# KiCad board uC_TP_Boussole_mb.kicad_pcb (continued)
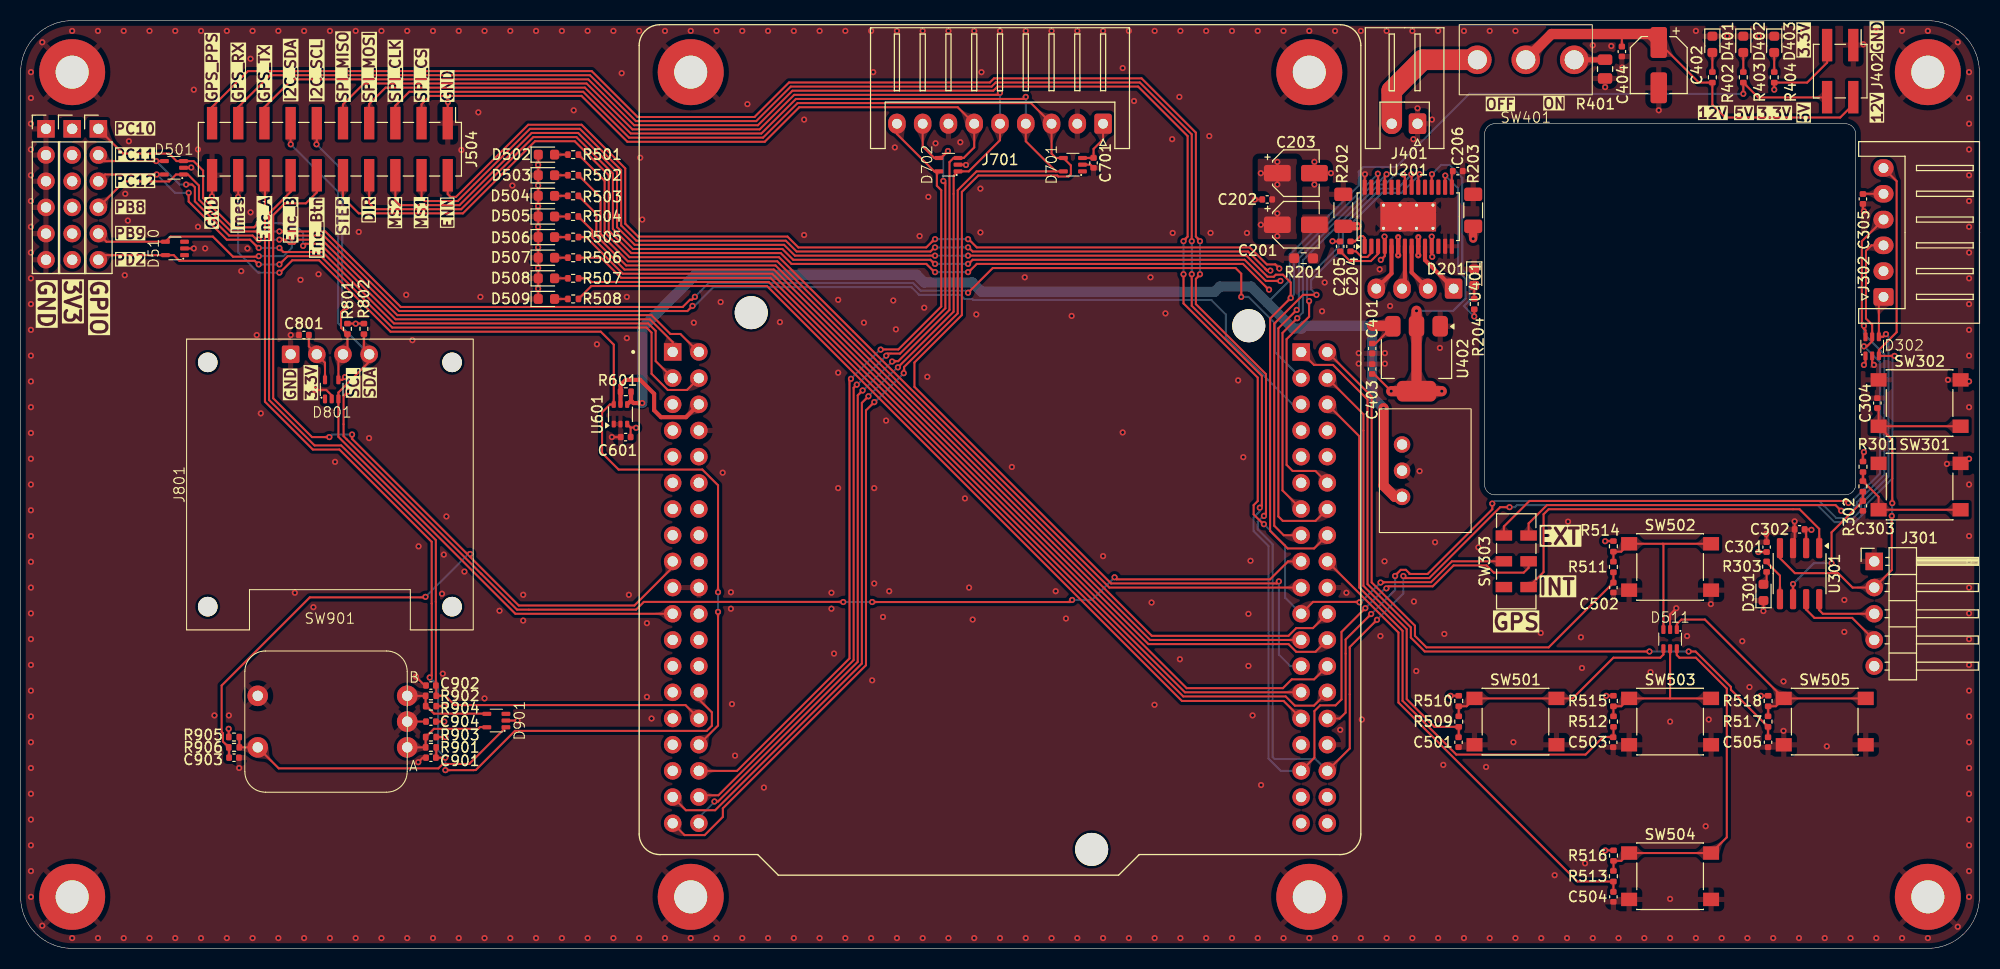
[diagram p0: board, top side]
## Nets (continued)
/NUCLEO_L476RG/TIM3_CH1_STEPPER_PWM: J504.10 U201.22 U501.213
/Rotary_Encodeur/A: D901.5 R901.2 R903.2 SW901.A
/Rotary_Encodeur/B: D901.4 R902.2 R904.2 SW901.B
/Rotary_Encodeur/S: D901.1 R905.2 R906.1 SW901.S1
/TMC2225_Driver/A1: J201.3 U201.7
/TMC2225_Driver/A2: J201.4 U201.5
/TMC2225_Driver/B1: J201.2 U201.8
/TMC2225_Driver/B2: J201.1 U201.10
Net-(C201-Pad2): C201.2 R201.1
Net-(D201-A): D201.2 R204.1
Net-(D301-A): D301.2 R303.2
Net-(D401-A): D401.2 R402.2
Net-(D402-A): D402.2 R403.2
Net-(D403-A): D403.2 R404.2
Net-(D502-A): D502.2 R501.2
Net-(D503-A): D503.2 R502.2
Net-(D504-A): D504.2 R503.2
Net-(D505-A): D505.2 R504.2
Net-(D506-A): D506.2 R505.2
Net-(D507-A): D507.2 R506.2
Net-(D508-A): D508.2 R507.2
Net-(D509-A): D509.2 R508.2
Net-(J401-Pin_2): J401.2 SW401.1
Net-(R301-Pad1): R301.1 R302.1 SW301.2
Net-(SW401-C): R401.1 SW401.3
Net-(U201-5VOUT): C206.2 U201.15
Net-(U201-BRA): R202.1 U201.6
Net-(U201-BRB): R203.1 U201.9
Net-(U201-CPI): C204.1 U201.2
Net-(U201-CPO): C204.2 U201.1
Net-(U201-DIAG): R204.2 U201.18
Net-(U201-VCP): C205.2 U201.3

Pads without a net: D510 1 3; D701 1; D801 1; D901 3; SW303 1; U201 12 17 19 23 24 27; U501 105 107 109 110 111 112 113 114 115 116 118 123 124 125 126 127 129 131 133 207 208 210 211 231 235 236 237 238

## Via types
v1: diameter 0.6, hole 0.3, Top to Bottom, 558 vias
v2: diameter 0.4, hole 0.2, Top to Bottom, 4 vias

## Routing (per net, layer and track width the routed paths; a pad name or vN(x,y) marks a point on that pad's centre or on a via; arc(x,y) is an arc through that point)
+3.3V: length 70.3
  Top w0.2: R904.1 v1(41.1,23.5) ; R515.2 153.81,24.51 v1(153.8,24.5) ; J801.2 27.96,58.4 C801.1 ; 59.17,50.53 59.67,50.53 v1(59.7,50.5) ; 59.17,50.53 U601.3 ; 59.17,50.53 C601.1 ; D701.3 104.07,76.67 C701.1 104.07,77.56 105,78.48 J701.1 ; C403.1 131.28,55.72 v1(132.95,54.05) ; R301.2 178.71,47.21 178.7,47.2 178.7,48.05 v1(178.8,48.15) ; R801.2 32.49,60.61 v1(32.5,60.6) 32.51,60.61 R802.2 ; v1(138.7,24.5) 138.71,24.51 R510.2 ; v1(138.19,74.97) 138.18,74.95 138.18,73.84 ; v1(168.8,24.5) 168.81,24.51 R518.2 ; R905.1 20.19,21.29 v1(20.18,21.3) ; v1(170.1,83.3) R404.1 173.29,83.99 175.23,85.93 175.23,87.42 ; v1(173.71,40.6) 173.66,40.65 C302.1 173.19,40.5 U301.2 ; D801.5 29.53,56.81 28.73,57.6 ; R903.1 v1(41.2,20.5) ; D302.1 178.95,56.75 v1(178.8,56.6) ; C305.1 178.72,73.2 J302.5 ; R516.2 153.71,9.51 v1(153.7,9.5) ; R514.2 153.71,39.51 v1(153.7,39.5) ; C904.1 v1(41.1,22) ; C301.1 v1(168.56,38.45)
  Top w1: U402.2 U402.2 v1(135.4,61.85) ; U402.2 v1(132.95,54.05) ; U402.2 v1(137.85,54.05)
  Bottom w0.2: v1(135.4,61.85) 138.96,61.85 140.15,63.04 140.15,64.96 139.44,65.67 139.44,73.72 v1(138.19,74.97)
+5V: length 175.1
  Top w0.2: C401.1 131.43,58.68 U402.3 ; v1(167.1,82.9) R403.1 168.54,82.55 175.06,82.55 175.23,82.38
  Top w0.4: R601.1 59.21,53.14 ; 59.21,53.14 U601.4 ; 59.21,53.14 59.44,52.9 v1(60.3,52.9)
  Top w1: v1(132.2,52.4) 132.2,44.9 133.3,43.8 U401.3 ; U402.3 133.05,60.4 v1(131.1,60.4)
  Bottom w0.2: 120.93,62.63 123.1,64.8 123.1,67.3 129.8,74 129.8,75.35 130.25,75.8 133.43,75.8 140.53,82.9 v1(167.1,82.9)
  Bottom w1: v1(60.3,52.9) 60.3,60.2 65.45,65.35 86.9,65.35 87.65,64.6 92.31,64.6 93.21,63.7 115.83,63.7 116.33,64.2 119.36,64.2 123.42,60.14 124.25,60.14 124.51,60.4 v1(131.1,60.4) 131.1,53.5 v1(132.2,52.4)
+12V: length 75
  Top w0.2: v1(132.29,69.05) 132.32,69.02 U201.4 132.32,67.18 v1(131.94,66.79) ; C201.1 v1(121.9,71.3) ; C201.1 v1(121.9,69.1) ; C201.1 v1(120.3,70.2) ; C203.1 v1(120.3,75.2) ; C203.1 v1(121.9,74.1) ; C203.1 v1(121.9,76.3) ; C404.1 155.32,88.58 ; v1(136.93,67.09) 136.88,67.14 U201.11 136.88,69.05 v1(136.87,69.05) ; J402.2 177.77,81.87 176.5,80.6 165.35,80.6 164.1,81.85 R402.1 162.79,83.99 C402.1 ; v1(127.25,68.6) 127.27,68.58 C205.1
  Top w1: SW401.2 148.5,88.7 158.08,88.7 C402.1
  In1.Cu w1: U401.1 135.71,48.88 141,54.17 141,59.89 140,60.89 140,61.71 140.84,62.55 140.84,66.71
GND: length 41.4
  Top w0.2: v1(38.57,18.06) 39.01,18.5 C901.2 ; D510.2 v1(16.8,67.9) ; v1(41.45,82.1) 41.43,82.08 J504.1 ; D702.2 91.68,76.03 v1(91.7,76) ; v1(16.55,75.75) 16.53,75.72 D501.2 ; v1(179.78,56.6) 179.6,56.78 D302.2 ; U201.28 130.38,75.08 v1(130.4,75.1) ; C701.2 103.77,76.03 D701.2 ; J504.20 18.57,72.97 v1(18.55,72.95) ; 180.6,47 180.55,47.05 SW301.1 ; D301.1 169.06,32.73 v1(169.05,32.72) ; D801.2 30.17,53.64 29.64,54.18 v1(28.57,54.18) ; v1(160.6,33) 160,32.4 D511.2 160,31.31 ; D901.2 v1(48.2,22.1) ; v1(38.34,26.36) 39.2,25.5 C902.2 ; D509.1 50.21,63.99 v1(50.2,64) 50.21,64.01 D508.1 50.21,65.99 v1(50.2,66) 50.21,66.01 D507.1 50.21,67.99 v1(50.2,68) 50.21,68.01 D506.1 50.21,69.99 v1(50.2,70) 50.21,70.01 D505.1 50.21,71.99 v1(50.2,72) 50.21,72.01 D504.1 50.21,73.99 v1(50.2,74) 50.21,74.01 D503.1 50.21,75.99 v1(50.2,76) 50.21,76.01 D502.1 ; v1(169.32,40.2) 169.36,40.17 C301.2 ; v1(119.72,72.65) C202.2 ; C601.2 v1(57.35,49.6) ; C305.2 178.7,71.6 v1(178.8,71.5) ; v1(172.07,41.42) 172.08,41.42 C302.2 172.08,38.98 U301.3 ; C904.2 SW901.C
  vias: v1(1,85) v1(1,82.5) v1(1,80) v1(1,77.5) v1(1,75) v1(1,72.5) v1(1,70) v1(1,67.5) v1(1,65) v1(1,62.5) v1(1,60) v1(1,57.5) v1(1,55) v1(1,52.5) v1(1,50) v1(1,47.5) v1(1,45) v1(1,42.5) v1(1,40) v1(1,37.5) v1(1,35) v1(1,32.5) v1(1,30) v1(1,27.5) v1(1,25) v1(1,22.5) v1(1,20) v1(1,17.5) v1(1,15) v1(1,12.5) v1(1,10) v1(1,7.5) v1(1,5) v1(2.1,87.9) v1(2.1,2.2) v1(5,89) v1(5,1) v1(7.5,89) v1(7.5,1) v1(10,89) v1(10,1) v1(10.15,73.2) v1(10.1,65.3) v1(10.4,70.6) v1(10.5,78.3) v1(12.5,89) v1(12.5,1) v1(15,89) v1(15,1) v1(16.8,83.3) v1(17.2,77.5) v1(17.2,70) v1(17.5,89) v1(17.5,1) v1(17.9,67.9) v1(18.8,22.6) v1(20,89) v1(20,1) v1(20.2,22.6) v1(21.2,17.5) v1(21.4,65.7) v1(22,67.9) v1(22.3,86.3) v1(22.3,71.4) v1(22.5,89) v1(22.5,1) v1(22.9,59.5) v1(23.3,51.9) v1(25,89) v1(25,1) v1(26.2,59.5) v1(26.6,34.5) v1(27.15,64.85) v1(27.5,89) v1(27.5,1) v1(28.4,33.1) v1(28.9,65.4) v1(30,89) v1(30,1) v1(30.5,47.2) v1(32.5,89) v1(32.5,1) v1(32.8,69.5) v1(33.8,49.5) v1(35,89) v1(35,1) v1(37.4,63.4) v1(37.5,89) v1(37.5,1) v1(38,59) v1(38.6,39) v1(40,89) v1(40,1) v1(40.88,34.4) v1(41.05,38.2) v1(40.95,26.65) v1(41.3,41.9) v1(42.5,89) v1(42.5,1) v1(42.75,77.45) v1(43.05,36.55) v1(44.4,81.1) v1(44.6,63.2) v1(45,89) v1(45,24.25) v1(45,1) v1(46.45,32.75) v1(47.5,89) v1(47.5,1) v1(47.7,74) v1(48.75,34.3) v1(48.75,31.8) v1(50,89) v1(50,1) v1(52.5,89) v1(52.5,1) v1(53.65,81.3) v1(55,89) v1(55,1) v1(55.9,58.6) v1(57.5,89) v1(57.5,1) v1(58.3,84.9) v1(58.8,63.2) v1(58.8,59.2) v1(59,34.3) v1(60,89) v1(60,1) v1(60.1,76.7) v1(60.3,70.7) v1(60.75,31.55) v1(60.75,24.4) v1(61.2,22.3) v1(62.5,89) v1(62.5,1) v1(65,89) v1(65,1) v1(65.3,60.7) v1(67.5,89) v1(67.5,1) v1(67.9,62.7) v1(68.1,46.15) v1(68.9,34.55) v1(68.9,32.95) v1(69,23.7) v1(69.3,18.7) v1(70,89) v1(70,1) v1(70.5,81.9) v1(72.1,15.6) v1(72.5,89) v1(72.5,1) v1(73.65,60.75) v1(75,89) v1(75,1) v1(76,80.4) v1(76,69.2) v1(77.5,89) v1(77.5,1) v1(78.65,34.5) v1(78.65,32.95) v1(78.9,28.6) v1(79.3,62.91) v1(79.3,55.85) v1(79.3,44.65) v1(80,89) v1(80,1) v1(81.8,60.7) v1(82.5,89) v1(82.5,1) v1(82.6,26) v1(82.7,85) v1(82.8,44.65) v1(82.8,35.4) v1(83.65,32.15) v1(83.95,51.2) v1(84.25,34.65) v1(84.65,62.85) v1(84.8,77.7) v1(84.9,60.05) v1(85,89) v1(85,1) v1(87.2,69.1) v1(87.5,89) v1(87.5,1) v1(87.65,62.15) v1(87.95,55.45) v1(88.05,72.9) v1(88.75,78.1) v1(90,89) v1(90,1) v1(91.15,78.2) v1(91.6,43.65) v1(92,35) v1(92.35,31.9) v1(92.5,89) v1(92.5,1) v1(92.7,61.5) v1(93.1,73.7) v1(93.1,69.45) v1(93.2,85) v1(95,89) v1(95,1) v1(96.15,46.7) v1(97.4,65.1) v1(97.5,89) v1(97.5,1) v1(100,89) v1(100,1) v1(100.4,34.65) v1(101.4,32) v1(101.95,61.35) v1(102.5,89) v1(102.5,1) v1(105,89) v1(105,38.05) v1(105,1) v1(106.9,85.4) v1(106.9,50.05) v1(107.5,89) v1(107.5,1) v1(108,82.2) v1(109.6,65.1) v1(109.7,33.55) v1(110,89) v1(109.99,23.63) v1(110,1) v1(111.05,61.6) v1(111.7,78.5) v1(111.75,69.4) v1(112.4,82.6) v1(112.45,28.05) v1(112.5,89) v1(112.5,1) v1(115,89) v1(115,1) v1(115.3,78.8) v1(115.42,69.41) v1(117.5,89) v1(117.5,1) v1(118.1,55.1) v1(118.6,47.65) v1(118.95,69.4) v1(119.1,32.45) v1(119.1,27.4) v1(119.3,37.6) v1(119.5,22.6) v1(120,89) v1(120,1) v1(120.33,15.85) v1(122.5,89) v1(122.5,1) v1(125,89) v1(125,1) v1(125.5,76.3) v1(125.5,74.1) v1(126.24,61.81) v1(126.49,64.6) v1(127.1,75.2) v1(127.5,89) v1(127.5,1) v1(128,21.2) v1(128.6,34.5) v1(129.79,57.74) v1(129.79,56.73) v1(130,89) v1(130,1) v1(130.1,22.2) v1(131.83,65.87) v1(131.9,30.3) v1(132.33,57.74) v1(132.33,56.73) v1(132.3,37.55) v1(132.5,89) v1(132.5,1) v1(132.84,62.31) v1(135,89) v1(135,1) v1(135.1,78.5) v1(135.15,33.65) v1(135.38,26.9) v1(135.5,81.5) v1(135.7,46.3) v1(136.9,80.4) v1(137.2,39.4) v1(137.5,89) v1(137.5,1) v1(137.67,58.25) v1(138,17.8) v1(138.1,30.5) v1(140,89) v1(140,1) v1(141.4,38.9) v1(142.15,17.6) v1(142.5,89) v1(142.5,1) v1(144.8,20) v1(145,89) v1(145,1) v1(147.45,30.6) v1(147.5,1) v1(148.8,7.1) v1(150,1) v1(150.1,41.4) v1(151.35,30.18) v1(151.45,27.2) v1(151.75,8.25) v1(152.5,87.6) v1(152.5,1) v1(153.7,83.55) v1(154.29,87.53) v1(155,1) v1(155.35,85.45) v1(157.5,1) v1(158.1,26.8) v1(158.9,81.3) v1(160,22) v1(160,4.8) v1(160,1) v1(161.65,30.3) v1(162.5,89) v1(162.5,1) v1(163.45,11.85) v1(163.75,22.2) v1(163.95,33.4) v1(165,1) v1(165.55,88.5) v1(167,29.8) v1(167.5,1) v1(167.7,25.35) v1(168.6,88.5) v1(170,1) v1(171,25.9) v1(171,21.1) v1(172.5,89) v1(172.5,1) v1(175,1) v1(175.2,19.6) v1(176.9,33.8) v1(176.9,30.7) v1(177.5,1) v1(178.75,87.7) v1(180,89) v1(180,1) v1(182.5,89) v1(182.5,1) v1(185,89) v1(185,1) v1(186.85,47) v1(186.95,55.15) v1(187.9,87.9) v1(187.9,2.1) v1(189,85) v1(189,82.5) v1(189,80) v1(189,77.5) v1(189,75) v1(189,72.5) v1(189,70) v1(189,67.5) v1(189,65) v1(189,62.5) v1(189,60) v1(189,57.5) v1(189,55) v1(189,52.5) v1(189,47.5) v1(189,45) v1(189,40) v1(189,37.5) v1(189,35) v1(189,32.5) v1(189,30) v1(189,27.5) v1(189,25) v1(189,22.5) v1(189,20) v1(189,17.5) v1(189,15) v1(189,12.5) v1(189,10) v1(189,7.5) v1(189,5)
/Current_NCS199A3RSQT2G/Imes: length 98.3
  Top w0.2: U501.132 67.65,21.62 v1(67.65,32.65) ; J504.18 21.11,72.91 v1(21.1,72.9) ; v1(67.65,34.55) 67.65,44.93 66.13,46.45 58,46.45 56.4,48.05 56.4,52 57.16,52.76 U601.6 57.53,58.56 56.28,59.83 35.88,59.83 28.96,66.75 26.35,66.75 25.15,65.55 v1(25.1,65.55)
  Bottom w0.2: v1(25.1,65.55) 23.05,65.55 21.1,67.5 v1(21.1,72.9) ; v1(67.65,32.65) v1(67.65,34.55)
/Current_NCS199A3RSQT2G/Load: length 12.6
  Top w0.4: U601.5 58.19,54 R601.2 58.19,54.64 58.7,55.15 60.1,55.15 61.45,53.8 61.45,52.2 62.12,51.53 64.54,51.53 U501.106
/GPS_TEL0094_STM32C011J4M6/GPS_EN: length 90.3
  Top w0.2: J302.1 180.25,62.75 D302.4 180.68,59.33 v1(180.94,59.59) ; v1(133.32,36.12) 133.32,36.17 133.88,36.72 134.37,36.72 134.73,36.37 134.73,36.32 136.48,36.32 142.75,42.6 v1(142.75,43.15) ; v1(131,32.44) 128.53,29.96 128.53,22.87 127.95,22.3 U501.230
  Bottom w0.2: v1(133.32,36.12) 133.32,34.76 v1(131,32.44) ; v1(142.75,43.15) 143,43.4 174.47,43.4 176.12,41.75 177.77,41.75 178.51,42.49 178.51,43.1 181.18,45.77 181.18,59.35 v1(180.94,59.59)
/GPS_TEL0094_STM32C011J4M6/GPS_PPS: length 282.9
  Top w0.2: v1(134.13,36.12) 134.33,35.92 136.64,35.92 143.52,42.8 v1(144.43,42.8) ; J504.19 18.57,81.62 22.05,85.1 55.4,85.1 59.85,80.65 71.19,80.65 74.54,84 94.02,84 94.42,84.4 108.73,84.4 114,79.13 114,69.05 114.2,68.85 114.2,68.8 v1(114.4,68.6) ; J302.6 181.97,74.42 181.97,59.78 180.25,58.05 D302.3 v1(181.78,57.47) ; U501.234 128.93,19.39 128.93,29.23 v1(131.57,31.87) ; v1(114.4,65.4) 114.4,65.35 114,64.95 114,62.5 120.8,55.7 120.8,42.15 v1(120.6,41.95)
  Bottom w0.2: U501.234 125.6,18.37 121.65,18.37 121.45,18.57 121.45,39.2 120,40.65 120,41.4 120.6,42 v1(120.6,41.95) ; v1(144.43,42.8) 144.95,42.8 145.15,43 174.3,43 175.95,41.35 177.94,41.35 178.92,42.34 178.92,42.95 181.57,45.6 181.57,57.28 v1(181.78,57.47) ; v1(131.57,31.87) 134.13,34.43 v1(134.13,36.12) ; v1(114.4,65.4) v1(114.4,68.6) 114.4,68.45
/GPS_TEL0094_STM32C011J4M6/GPS_RX: length 64.6
  Top w0.2: J302.3 179.53,68.2 179,67.67 179,61.1 179.6,60.5 D302.5 179.6,58.9 179.1,58.4 v1(178.8,58.4) ; v1(177.3,43.21) 177.11,43.4 146.35,43.4 143.88,40.92 SW303.3
  Bottom w0.2: v1(178.8,58.4) 178.8,58.42 180.38,56.85 180.38,46.1 177.48,43.21 v1(177.3,43.21)
/GPS_TEL0094_STM32C011J4M6/GPS_TX: length 65.9
  Top w0.2: D302.6 178.95,59.95 178.78,60.12 178.8,60.15 v1(178.8,60.4) 178.6,60.6 178.6,68.6 J302.4 ; 146.28,40.05 146.28,41.22 148.05,43 176.05,43 v1(176.6,42.45)
  Bottom w0.2: v1(178.8,60.4) 178.8,59.6 180.78,57.62 180.78,45.93 178.11,43.27 178.11,43.02 177.69,42.61 176.76,42.61 v1(176.6,42.45)
/GPS_TEL0094_STM32C011J4M6/NUCLEO_RX: length 206.9
  Top w0.2: v1(120.2,42.75) 120.4,42.95 120.4,55.53 113.6,62.33 v1(113.6,65.4) 113.6,65.6 ; U501.233 125.5,18.51 125.5,23.02 126.05,23.58 127.55,23.58 128.12,24.15 128.12,30.7 130.43,33.01 v1(130.44,33.01) ; J504.17 21.11,81.61 24.2,84.7 55.23,84.7 59.68,80.25 71.35,80.25 74.7,83.6 94.19,83.6 94.59,84 108.57,84 113.6,78.97 v1(113.6,68.6) ; v1(132.48,34.92) 132.68,35.12 136.97,35.12 139,37.15 142.2,37.15 142.9,36.45 145.8,36.45 146.28,36.92 146.28,37.55
  Bottom w0.2: v1(113.6,68.6) v1(113.6,65.4) ; v1(132.48,34.92) 132.35,34.92 v1(130.44,33.01) ; U501.233 122.23,17.22 121.05,18.4 121.05,39.03 119.6,40.48 119.6,41.8 120.2,42.4 v1(120.2,42.75)
/GPS_TEL0094_STM32C011J4M6/NUCLEO_TX: length 171
  Top w0.2: v1(129.87,33.57) 129.83,33.61 125.36,33.61 U501.221 ; v1(112.8,68.6) 113,68.8 113,68.85 113.2,69.05 113.2,78.8 108.4,83.6 94.75,83.6 94.35,83.2 74.87,83.2 71.52,79.85 59.52,79.85 55.07,84.3 26.35,84.3 23.65,81.6 J504.15 ; v1(120.6,41.15) 120.55,41.15 119.6,42.1 119.6,42.99 120,43.39 120,55.37 112.8,62.57 v1(112.8,65.4) ; v1(131.91,35.49) 132.2,35.49 132.23,35.52 136.81,35.52 138.83,37.55 SW303.2
  Bottom w0.2: v1(120.6,41.15) 122.65,39.1 122.65,34.02 U501.221 ; v1(129.87,33.57) 130.07,33.78 130.2,33.78 v1(131.91,35.49) ; v1(112.8,68.6) v1(112.8,65.4)
/GPS_TEL0094_STM32C011J4M6/STM32C0_BTN: length 14.3
  Top w0.2: U301.6 v1(171.93,35.35) ; v1(175.66,37.36) 175.66,40.36 C303.1 R302.2
  Bottom w0.2: v1(175.66,37.36) 173.94,37.36 v1(171.93,35.35)
/GPS_TEL0094_STM32C011J4M6/STM32C0_LED: length 4.2
  Top w0.2: U301.5 170.66,36.16 169.36,37.46 R303.1
/GPS_TEL0094_STM32C011J4M6/STM32C0_NRST: length 38
  Top w0.2: SW302.2 188.18,50.65 ; SW302.2 180.22,52.3 C304.1 ; SW302.2 181.55,49.33 v1(181.55,43.19) ; U301.4 170.66,37.85 172.11,36.4 176.3,36.4 177.7,35 J301.2 181.5,36.7 v1(181.5,41.95)
  Bottom w0.2: v1(181.5,41.95) 181.55,42 v1(181.55,43.19)
/GPS_TEL0094_STM32C011J4M6/STM32C0_SWCLK: length 6.5
  Top w0.2: J301.3 174.81,32.46 174.47,32.81 U301.8
/GPS_TEL0094_STM32C011J4M6/STM32C0_SWDIO: length 9.2
  Top w0.2: 179.8,30.3 J301.4 177.66,32.06 174,32.06 173.19,32.86 U301.7
/GPS_TEL0094_STM32C011J4M6/STM32C0_TX: length 37.3
  Top w0.2: 146.28,35.05 147.72,36.5 147.72,42.11 148.22,42.6 172.56,42.6 174.47,40.69 U301.1
/Magnetometre_BMM150_SEN0419/INT: length 77.9
  Top w0.2: J701.9 85,79 88.62,75.38 D702.5 88.88,75.17 88.88,73.97 89.3,73.55 89.3,62.27 85.13,58.1 83.44,58.1 v1(83.42,58.08) ; U501.134 69.49,17.22 80.4,28.13 80.4,55.11 v1(80.54,55.26)
  Bottom w0.2: v1(80.54,55.26) 83.37,58.08 v1(83.42,58.08)
/Magnetometre_BMM150_SEN0419/SPI_CLK: length 161.3
  Top w0.2: v1(122.05,35.6) 121.85,35.4 105.78,35.4 86.7,54.48 86.7,56.84 91.3,61.44 91.3,73.38 92.89,74.97 100.56,74.97 100.66,74.88 101.64,74.88 101.88,75.11 101.88,75.95 D701.4 100.43,76.67 100,77.1 J701.3 98,82 75.37,82 72.02,78.65 59.02,78.65 54.57,83.1 37.7,83.1 36.35,81.75 J504.5
  Bottom w0.2: U501.225 123.17,27.38 122.05,28.5 v1(122.05,35.6)
/Magnetometre_BMM150_SEN0419/SPI_CS: length 139.7
  Top w0.2: v1(67.3,14.25) 67.65,14.25 81.2,27.8 81.2,53.65 v1(81.68,54.13) ; J504.3 38.89,81.89 39.7,82.7 54.4,82.7 58.85,78.25 72.18,78.25 75.53,81.6 90.9,81.6 J701.6 92.5,77.7 91.47,76.67 D702.3 90.5,76.67 90.1,76.27 90.1,61.93 85.13,56.96 84.85,56.96 84.81,56.93 v1(84.53,56.93)
  Bottom w0.2: v1(84.53,56.93) 81.73,54.13 v1(81.68,54.13) ; U501.138 65.79,12.69 67.3,14.2 v1(67.3,14.25)
/Magnetometre_BMM150_SEN0419/SPI_MISO: length 156
  Top w0.2: v1(82.24,53.56) 81.6,52.92 81.6,27.63 67.37,13.4 64.53,13.4 U501.135 ; J504.9 31.27,81.87 33.3,83.9 54.9,83.9 59.35,79.45 71.68,79.45 75.03,82.8 94.8,82.8 v1(95,83) ; J701.5 95,78.4 91.97,75.38 D702.1 90.5,74.95 90.5,61.77 v1(85.09,56.36)
  Bottom w0.2: v1(82.24,53.56) 85.04,56.36 v1(85.09,56.36) ; v1(95,83) J701.5
/Magnetometre_BMM150_SEN0419/SPI_MOSI: length 165.3
  Top w0.2: v1(82.81,52.99) 82,52.19 82,27.47 68.12,13.58 68.12,12.76 66.35,10.99 64.4,10.99 U501.137 ; D701.5 100.43,75.38 ; 100.43,75.38 92.72,75.38 90.9,73.55 90.9,61.6 85.69,56.4 85.69,56.11 85.66,56.08 v1(85.66,55.8) ; 100.43,75.38 97.5,78.3 J701.4 ; v1(97.5,82.6) 97.3,82.4 75.2,82.4 71.85,79.05 59.18,79.05 54.73,83.5 35.4,83.5 33.81,81.91 J504.7
  Bottom w0.2: v1(97.5,82.6) J701.4 ; v1(82.81,52.99) 82.86,52.99 v1(85.66,55.8)
/Magnetometre_BMM150_SEN0419/STATUS: length 80
  Top w0.2: U501.136 65.96,14.85 67.68,14.85 80.8,27.97 80.8,54.38 v1(81.11,54.69) ; v1(89.5,74.45) 89.7,74.25 89.7,62.1 85.3,57.7 84.1,57.7 83.96,57.56 v1(83.96,57.49) ; v1(89.95,77.35) 89.28,76.67 D702.4 88.62,76.67 87.5,77.8 J701.8
  Bottom w0.2: v1(89.5,74.45) 89.5,76.9 v1(89.95,77.35) ; v1(83.96,57.49) 81.16,54.69 v1(81.11,54.69)
/NUCLEO_L476RG/BTN_B: length 34.2
  Top w0.2: R513.2 154.51,7.52 R516.1 155.26,8.49 SW504.1 SW504.1 165.5,10.78 165.5,25.2 162.5,28.2 160.9,28.2 160.65,28.45 D511.6
/NUCLEO_L476RG/BTN_BOT: length 45.6
  Top w0.2: C504.1 R513.1 151.01,6.49 133.65,23.85 133.65,30.64 U501.218
/NUCLEO_L476RG/BTN_C: length 15.6
  Top w0.2: D511.5 160,24.25 ; 160,24.25 SW503.1 155.26,23.49 R515.1 154.5,22.52 R512.2 ; 160,24.25 SW503.1
/NUCLEO_L476RG/BTN_CENTER: length 56.1
  Top w0.2: 154.51,20.51 153.51,20.51 151.8,18.8 139.26,18.8 134.05,24.01 134.05,30.81 129.85,35.01 129.85,49.68 U501.206 ; 154.51,20.51 R512.1 ; 154.51,20.51 C503.1
/NUCLEO_L476RG/BTN_L: length 23.5
  Top w0.2: D511.4 159.35,28.5 159.05,28.2 154.5,28.2 150.55,24.25 SW501.1 SW501.1 140.26,23.49 R510.1 R509.2
/NUCLEO_L476RG/BTN_LEFT: length 41.5
  Top w0.2: C501.1 139.5,20.5 R509.1 137.14,21.49 134.45,24.18 134.45,30.97 130.25,35.17 130.25,51.82 U501.204
/NUCLEO_L476RG/BTN_R: length 25
  Top w0.2: SW505.1 SW505.1 ; SW505.1 163.38,31.9 161.1,31.9 160.65,31.45 D511.1 ; SW505.1 170.26,23.49 R518.1 169.51,22.52 R517.2
/NUCLEO_L476RG/BTN_RIGHT: length 72.6
  Top w0.2: U501.201 125.46,56.6 127.3,56.6 130.65,53.25 130.65,35.34 134.85,31.14 134.85,30.15 136.2,28.8 v1(158,28.8) ; C505.1 R517.1 165.9,25.09 165.9,25.37 162.47,28.8 v1(161.8,28.8)
  Bottom w0.2: v1(161.8,28.8) v1(158,28.8)
/NUCLEO_L476RG/BTN_T: length 19.1
  Top w0.2: D511.3 159.35,39.2 159.3,39.25 ; 159.3,39.25 SW502.1 155.26,38.49 R514.1 R511.2 ; 159.3,39.25 SW502.1
/NUCLEO_L476RG/BTN_TOP: length 54.4
  Top w0.2: U501.202 131.05,53.55 131.05,35.5 135.25,31.3 135.25,30.32 136.37,29.2 148.22,29.2 C502.1 R511.1
/NUCLEO_L476RG/ENC_BTN: length 111.1
  Top w0.2: v1(32.15,49.85) 32.15,49.43 43.32,38.26 v1(43.61,38.26) 43.61,37.97 48.32,33.26 59.53,33.26 63.25,36.98 U501.117 ; v1(39.28,34.1) 39.22,34.05 28.05,34.05 19.5,25.5 19.5,20.99 19.62,20.87 19.62,20.07 R906.2 20.22,19.47 C903.1 ; v1(29.95,49.6) 28.27,49.6 24.5,53.37 24.5,71.13 25.64,72.28 27.67,72.28 28.73,73.33 J504.12
  Bottom w0.2: v1(39.28,34.1) 43.43,38.26 v1(43.61,38.26) ; v1(32.15,49.85) 30.2,49.85 v1(29.95,49.6)
/NUCLEO_L476RG/I2C1_SCL: length 135.7
  Top w0.2: v1(106.11,36) 106.31,35.8 121.2,35.8 122.94,37.54 U501.217 ; v1(28.7,78) 28.73,78.03 J504.11 ; v1(79.8,33.6) 79.79,33.61 60.45,33.61 59.7,32.86 48.16,32.86 31.33,49.69 31.33,53.58 v1(31.77,54.03) ; v1(102,33.8) 101.8,33.6 v1(82.6,33.6) ; 31.27,57.6 30.83,57.16 D801.4 31.2,55.15 v1(31.48,55.42) ; J801.3 31.7,58.06 R801.1 31.08,60.21 31.08,61.73 v1(31.55,62.2)
  Bottom w0.2: v1(28.7,78) 31.2,75.5 31.2,62.55 v1(31.55,62.2) ; v1(31.48,55.42) 31.77,55.13 v1(31.77,54.03) ; v1(102,33.8) 103.91,33.8 v1(106.11,36) ; v1(79.8,33.6) v1(82.6,33.6)
/NUCLEO_L476RG/I2C1_SDA: length 75.8
  Top w0.2: J801.4 33.3,58.14 R802.1 ; v1(26.2,78) 26.19,78.01 J504.13 ; U501.121 47.99,32.46 30.83,49.62 D801.3 30.83,53.92 33.81,56.91
  Bottom w0.2: v1(26.2,78) 30.8,73.4 30.8,60.64 J801.4
/NUCLEO_L476RG/LED_0: length 90.4
  Top w0.2: U501.219 105.61,35 73.56,67.05 59.07,67.05 56.65,69.47 56.65,74.46 R501.1
/NUCLEO_L476RG/LED_1: length 94.1
  Top w0.2: U501.222 125.36,31.07 123.73,31.07 122.98,30.32 109.72,30.32 73.39,66.65 58.9,66.65 56.25,69.3 56.25,72.86 R502.1
/NUCLEO_L476RG/LED_2: length 89.2
  Top w0.2: U501.223 109.56,29.92 73.23,66.25 58.74,66.25 55.85,69.14 55.85,71.25 R503.1
/NUCLEO_L476RG/LED_3: length 91
  Top w0.2: R504.1 55.45,69.65 55.45,68.97 58.57,65.85 73.06,65.85 109.39,29.52 122.98,29.52 123.73,28.77 125.6,28.77 U501.224
/NUCLEO_L476RG/LED_4: length 91.7
  Top w0.2: R505.1 54.86,69 58.41,65.45 72.9,65.45 113.11,25.24 122.44,25.24 123.3,26.1 125.47,26.1 U501.226
/NUCLEO_L476RG/LED_5: length 87.6
  Top w0.2: R506.1 56.29,67 58.24,65.05 72.73,65.05 112.94,24.84 U501.227
/NUCLEO_L476RG/LED_6: length 90.3
  Top w0.2: R507.1 55,65 55.35,64.65 72.57,64.65 112.78,24.44 122.71,24.44 123.6,23.55 125.46,23.55 U501.228
/NUCLEO_L476RG/LED_7: length 88
  Top w0.2: R508.1 55.36,64.25 72.4,64.25 112.65,24 122.51,24 U501.229
/NUCLEO_L476RG/PB8: length 133.8
  Top w0.2: v1(91.9,63.6) 94.3,66 117.85,66 118.4,65.45 v1(118.4,63.2) ; v1(65.41,63.21) 65.13,62.93 64.93,62.93 64.23,62.22 36.88,62.22 29.55,69.55 v1(25.1,69.55) ; J503.4 10.06,74.4 14.4,74.4 15.08,75.08 16.22,75.08 17.3,74 17.3,72.63 20.38,69.55 v1(23.1,69.55)
  Bottom w0.2: v1(65.41,63.21) 66.75,64.55 86.57,64.55 87.32,63.8 91.7,63.8 v1(91.9,63.6) ; U501.203 121.7,57.83 121.7,60.6 119.1,63.2 v1(118.4,63.2) ; v1(23.1,69.55) v1(25.1,69.55)
/NUCLEO_L476RG/PB9: length 129.5
  Top w0.2: v1(23.1,67.15) 23.05,67.1 20.6,67.1 18.65,69.05 14.55,69.05 D510.4 8.33,68.55 J503.5 ; v1(65.17,62.33) 64.67,61.83 36.71,61.83 29.38,69.15 26.5,69.15 v1(26.3,68.95)
  Bottom w0.2: v1(65.17,62.33) 65.38,62.33 67.2,64.15 86.4,64.15 87.15,63.4 91.15,63.4 91.55,63 92.3,63 92.4,62.9 115.5,62.9 116.9,61.5 116.9,59.25 123.37,52.78 U501.205 ; v1(23.1,67.15) 25.5,67.15 26.3,67.95 v1(26.3,68.95)
/NUCLEO_L476RG/PC10: length 68
  Top w0.2: J503.1 9.94,77.1 14.4,77.1 15.12,76.38 16.77,76.38 17.7,75.45 17.7,72.8 20.55,69.95 22.65,69.95 22.85,70.15 22.9,70.15 v1(23.1,70.35) ; v1(27.4,68.15) 27.6,68.35 29.05,68.35 36.38,61.03 61.04,61.03 63.25,58.82 U501.101
  Bottom w0.2: v1(27.4,68.15) 27.4,69.4 26.45,70.35 v1(23.1,70.35)
/NUCLEO_L476RG/PC11: length 68.1
  Top w0.2: v1(16.05,74.1) 16.63,74.1 16.9,73.83 16.9,72.47 20.22,69.15 22.5,69.15 22.9,68.75 v1(23.1,68.75) ; J503.2 8.12,76.38 v1(13.15,76.38) 13.95,76.38 ; v1(25.1,68.75) 25.65,68.75 26.05,68.35 26.55,68.35 26.95,68.75 29.22,68.75 36.54,61.42 61.21,61.42 63.03,59.6 64,59.6 65.74,57.86 U501.102
  Bottom w0.2: v1(13.15,76.38) 15.42,74.1 v1(16.05,74.1) ; v1(23.1,68.75) v1(25.1,68.75)
/NUCLEO_L476RG/PC12: length 67.1
  Top w0.2: v1(25.1,67.95) 25.5,67.55 29.29,67.55 36.21,60.62 60.88,60.62 61.6,59.9 61.6,56.97 U501.103 ; v1(16.3,73.3) 16.3,72.45 20,68.75 22.25,68.75 22.85,68.15 22.9,68.15 v1(23.1,67.95) ; 13.95,75.08 v1(13.2,75.08) 8.2,75.08 J503.3
  Bottom w0.2: v1(23.1,67.95) v1(25.1,67.95) ; v1(16.3,73.3) 14.97,73.3 v1(13.2,75.08)
/NUCLEO_L476RG/PD2: length 67.3
  Top w0.2: v1(23.1,66.35) 22.9,66.55 22.85,66.55 22.7,66.7 15.4,66.7 14.85,67.25 D510.5 7.99,67.25 J503.6 ; v1(25.1,66.35) 25.9,67.15 29.12,67.15 36.05,60.22 60.71,60.22 61.2,59.73 61.2,55.74 62.77,54.17 64.64,54.17 U501.104
  Bottom w0.2: v1(23.1,66.35) v1(25.1,66.35)
/NUCLEO_L476RG/STEPPER_DIR: length 154.1
  Top w0.2: v1(122.2,64.75) 120.78,64.75 118.73,66.8 92.35,66.8 91.95,66.4 v1(91.9,66.4) ; v1(125.7,63.4) 124.4,63.4 121.6,60.6 121.6,41 122.52,40.08 U501.215 ; U201.20 135.57,74.97 v1(135.7,75.1) ; v1(88.7,66.4) 88.5,66.6 88.45,66.6 88.25,66.8 74.94,66.8 73.89,67.85 59.4,67.85 57.45,69.8 57.45,75.16 53.91,78.7 49.73,78.7 42.73,71.7 34.4,71.7 33.81,72.29 J504.8
  In1.Cu w0.2: v1(125.7,63.4) 124.34,64.76 122.21,64.76 v1(122.2,64.75)
  Bottom w0.2: v1(125.7,63.4) 125.18,63.92 125.18,64.83 128.25,67.9 128.25,69.49 132.06,73.3 133.95,73.3 135.7,75.05 v1(135.7,75.1) ; v1(88.7,66.4) v1(91.9,66.4)
/NUCLEO_L476RG/STEPPER_ENN: length 142.5
  Top w0.2: v1(88.7,68.8) 88.5,68.6 88.45,68.6 87.85,68 75.44,68 74.39,69.05 59.9,69.05 58.65,70.3 58.65,75.66 54.41,79.9 49.24,79.9 42.24,72.9 41.7,72.9 41.43,73.17 J504.2 ; v1(134.9,75.1) 134.93,75.07 U201.21 ; v1(91.9,68.8) 91.95,68.8 92.75,68 119.23,68 120.88,66.35 121.69,66.35 v1(122.09,65.95) ; v1(124.98,62.8) 124.98,61.28 122.8,59.1 122.8,46.9 123.39,46.31 125.6,46.31 U501.212
  In1.Cu w0.2: v1(122.09,65.95) 124,65.95 126.3,63.65 126.3,63.1 126,62.8 v1(124.98,62.8)
  Bottom w0.2: v1(124.98,62.8) 124.78,63 124.78,65 127.85,68.07 127.85,69.65 131.9,73.7 133.55,73.7 134.9,75.05 v1(134.9,75.1) ; v1(91.9,68.8) v1(88.7,68.8)
/NUCLEO_L476RG/STEPPER_MS1: length 146.9
  Top w0.2: 120.87,65.8 120.73,65.93 ; 120.73,65.93 119.07,67.6 92.35,67.6 91.95,68 v1(91.9,68) ; 120.73,65.93 120.92,65.75 v1(121.22,65.75) ; J504.4 38.89,72.81 39.2,72.5 42.4,72.5 49.4,79.5 54.25,79.5 58.25,75.5 58.25,70.13 59.73,68.65 74.22,68.65 75.27,67.6 88.25,67.6 88.65,68 v1(88.7,68) ; U201.25 132.32,74.92 v1(132.5,75.1) ; v1(123.78,61.94) 122,60.15 122,41.9 122.43,41.47 125.6,41.47 U501.214
  In1.Cu w0.2: v1(121.22,65.75) 121.2,65.73 121.2,64.7 122.4,63.5 122.4,62.37 122.83,61.94 v1(123.78,61.94)
  Bottom w0.2: v1(132.5,75.1) 131.9,74.5 131.57,74.5 123.98,66.92 123.98,62.12 123.8,61.94 v1(123.78,61.94) ; v1(91.9,68) v1(88.7,68)
/NUCLEO_L476RG/STEPPER_MS2: length 150.3
  Top w0.2: v1(88.7,67.2) 75.11,67.2 74.06,68.25 59.57,68.25 57.85,69.97 57.85,75.33 54.08,79.1 49.57,79.1 42.57,72.1 36.8,72.1 36.35,72.55 J504.6 ; v1(91.9,67.2) 118.9,67.2 120.95,65.15 121.55,65.15 121.75,65.35 122.45,65.35 123.2,64.6 v1(123.2,63.1) 121.2,61.1 121.2,40.5 122.9,38.8 125.47,38.8 U501.216 ; 131.68,73.84 131.68,75.12 v1(131.65,75.15)
  Bottom w0.2: v1(123.2,63.1) 123.5,63.4 123.5,67 v1(131.65,75.15) ; v1(88.7,67.2) v1(91.9,67.2)
/NUCLEO_L476RG/TIM2_CH1_ENC_A: length 100
  Top w0.2: U501.128 65.79,24.16 67.05,22.9 67.05,21.6 66.55,21.1 47.95,21.1 44.15,17.3 43.95,17.3 43.94,17.29 v1(41.2,17.29) ; R901.1 40.31,18.53 C901.1 v1(41.2,18.5) ; v1(39.68,26.27) 39.88,26.47 39.88,33.45 39.88,33.46 39.88,39.44 30.93,48.39 28.34,48.39 23.7,53.03 23.7,74.95 J504.16
  Bottom w0.2: v1(39.68,26.27) 40.5,25.45 40.5,19.2 v1(41.2,18.5) v1(41.2,17.29)
/NUCLEO_L476RG/TIM2_CH2_ENC_B: length 86
  Top w0.2: J504.14 26.19,73.39 24.1,71.3 24.1,53.2 28.51,48.79 31.09,48.79 40.28,39.61 40.28,33.62 40.28,33.62 C902.1 40.31,25.47 R902.1 41.2,24.5 42.1,23.6 64.49,23.6 U501.130
/NUCLEO_L476RG/TIM3_CH1_STEPPER_PWM: length 150.1
  Top w0.2: v1(88.7,65.6) 88.65,65.6 87.85,66.4 74.78,66.4 73.73,67.45 59.23,67.45 57.05,69.63 57.05,75 53.75,78.3 49.9,78.3 42.9,71.3 32.8,71.3 31.27,72.83 J504.10 ; U201.22 134.28,74.92 v1(134.1,75.1) ; v1(91.9,65.6) 91.95,65.6 92.75,66.4 118.57,66.4 121.07,63.9 v1(121.1,63.9) ; v1(123.84,61.14) 122.4,59.7 122.4,44.43 U501.213
  In1.Cu w0.2: v1(121.1,63.9) 121.43,63.9 122,63.33 122,62.2 123.06,61.14 v1(123.84,61.14)
  Bottom w0.2: v1(123.84,61.14) 124.38,61.68 124.38,66.75 131.73,74.1 132.35,74.1 133.35,75.1 v1(134.1,75.1) ; v1(88.7,65.6) v1(91.9,65.6)
/Rotary_Encodeur/A: length 9.3
  Top w0.2: 45.22,21.47 44.58,21.47 44.4,21.3 40.09,21.3 R903.2 R901.2 SW901.A 37.5,19.7
/Rotary_Encodeur/B: length 9
  Top w0.2: 45.22,22.78 40.1,22.78 39.37,23.5 R904.2 R902.2 SW901.B
/Rotary_Encodeur/S: length 29.4
  Top w0.2: D901.1 43.52,17.89 40.95,17.89 40.52,17.46 25.04,17.46 SW901.S1 R906.1 R905.2
/TMC2225_Driver/A1: length 4.2
  Top w0.4: J201.3 134.28,64.28 U201.7
/TMC2225_Driver/A2: length 4.7
  Top w0.4: U201.5 132.97,65.47 J201.4
/TMC2225_Driver/B1: length 4.8
  Top w0.4: U201.8 134.93,65.58 J201.2
/TMC2225_Driver/B2: length 5.3
  Top w0.4: U201.10 136.22,66.78 J201.1
Net-(D201-A): length 1.3
  Top w0.2: R204.1 D201.2
Net-(D301-A): length 1.3
  Top w0.2: D301.2 169.36,35.62 R303.2
Net-(D401-A): length 1.9
  Top w0.2: D401.2 R402.2
Net-(D402-A): length 1.9
  Top w0.2: R403.2 D402.2
Net-(D403-A): length 1.9
  Top w0.2: D403.2 R404.2
Net-(D502-A): length 1.3
  Top w0.2: D502.2 R501.2
Net-(D503-A): length 1.3
  Top w0.2: R502.2 D503.2
Net-(D504-A): length 1.3
  Top w0.2: R503.2 D504.2
Net-(D505-A): length 1.3
  Top w0.2: D505.2 R504.2
Net-(D506-A): length 1.3
  Top w0.2: R505.2 D506.2
Net-(D507-A): length 1.3
  Top w0.2: D507.2 R506.2
Net-(D508-A): length 1.3
  Top w0.2: R507.2 D508.2
Net-(D509-A): length 1.3
  Top w0.2: D509.2 R508.2
Net-(J401-Pin_2): length 26.2
  Top w2: J401.2 133,83.2 136,86.2 SW401.1 140.6,86.2
  Bottom w2: SW401.1 136,86.2 133,83.2 J401.2
Net-(R301-Pad1): length 12.2
  Top w0.2: 188.18,42.55 SW301.2 180.22,43.81 R302.1 178.71,45.34 R301.1
